# Altium PCB SmartHaloFF.PcbDoc (part 2 of 4)
Units mm, origin at the board's own origin, x right, y up, seen from the top; angles counter-clockwise.
Board outline 76.77 x 65.15 mm, 4 copper layers (Top Layer, Ground Plane, Power Plane, Bottom Layer), stack 1.516 mm thick; 370 components, 183 nets, 935 pads, 579 vias.
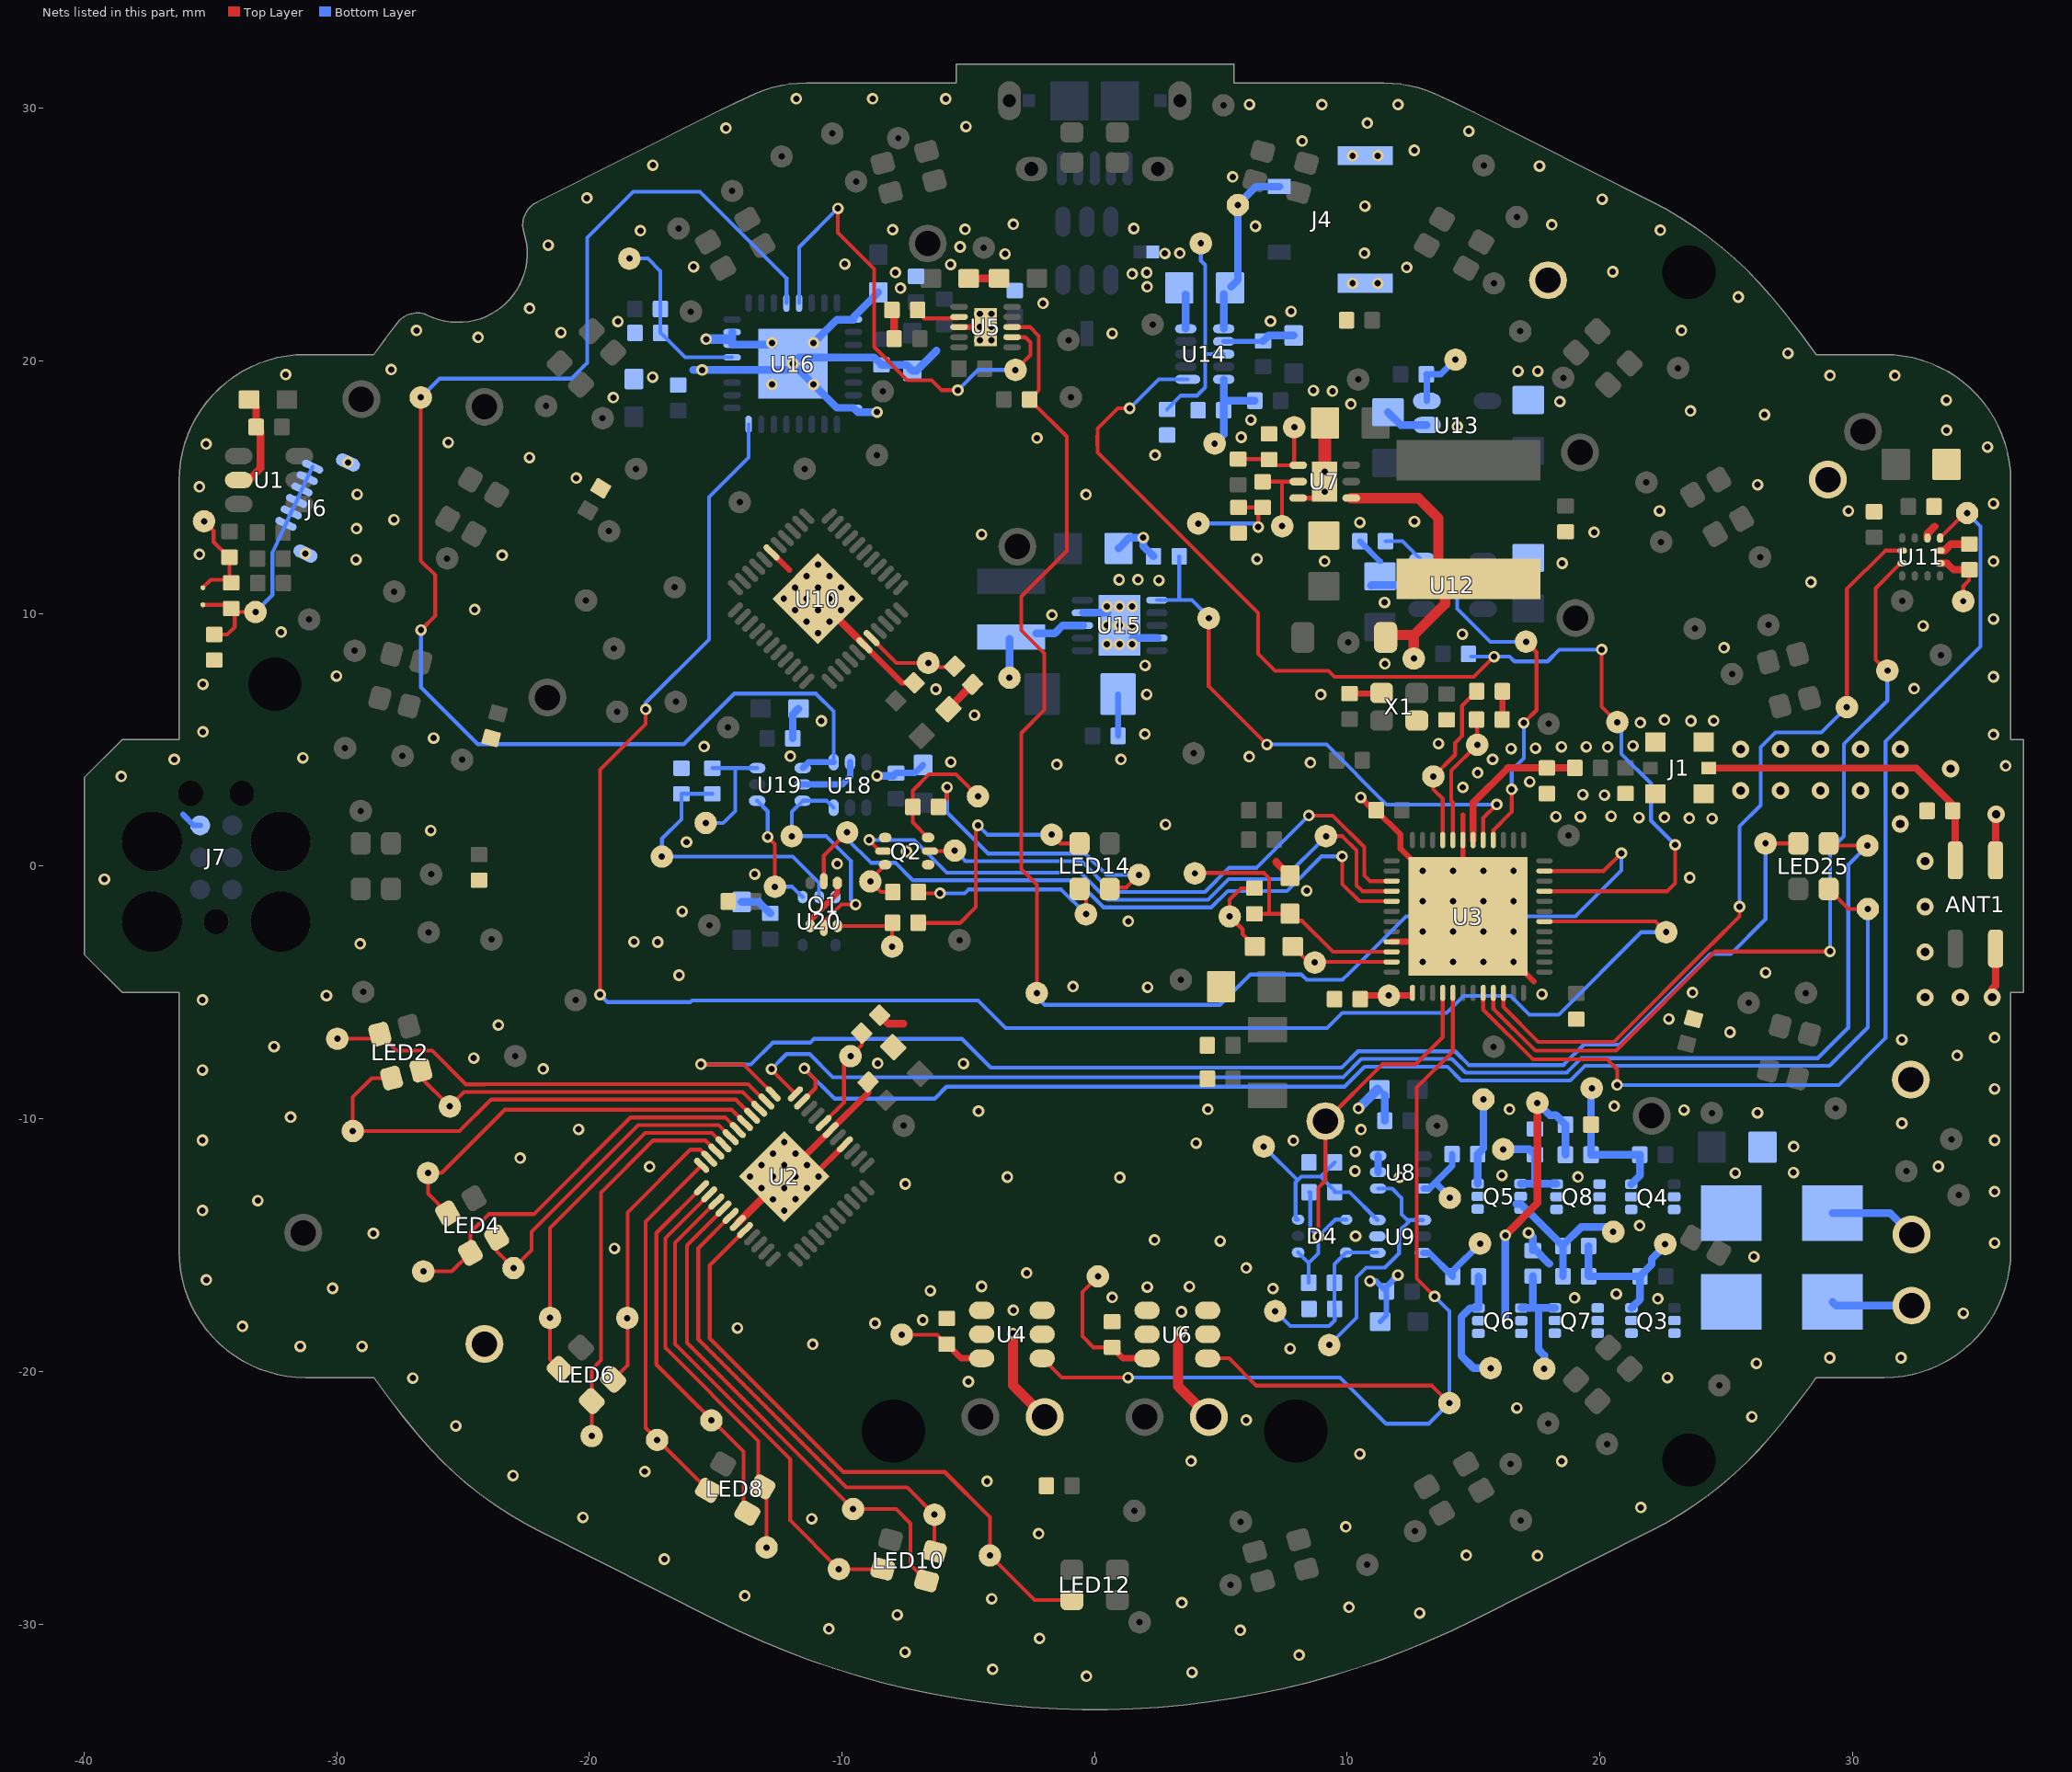
[diagram p4: the nets of this part, all layers, seen from the top]

## Footprints (in the part's own frame and the unit in brackets; to place one, negate y for a bottom-side part, rotate by r counter-clockwise, add the part's x,y. Pads: shape width x height; smd on the part's side, far side on the other; paste and mask are expansions set on the pad) (continued)
TESTPAD-TH-1_5mm [mm] "Through-hole testpad, 1.5mm"
  round 1.5 hole 1: 1(0,0)
  silkscreen extent -1,-1 1,1
TESTPAD-TH-35mils [mil] "Through-hole testpad 35 mils"
  round 35 hole 10: 1(0,0)
Varitron_CAP0402 [mil] "Capacitor 0402(1005), max 1mm height"
  rrect21% 24x26 smd: 1(-20,0) 2(20,0)
  body extent -21,-11 21,11, height 39
VARITRON_CAP0402 [mil] "Capacitor 0402(1005), max 1mm height"
  rrect21% 24x26 smd: 1(-20,0) 2(20,0)
  body extent -21,-11 21,11, height 39
Varitron_CAP0603 [mil] "Capacitor 0603(1608), max 1mm height"
  rrect17% 32x29 smd: 1(-29.5,0) 2(29.5,0)
  body extent -33,-19 33,19, height 39
VARITRON_CAP0603 [mil] "Capacitor 0603(1608), max 1mm height"
  rrect17% 32x29 smd: 1(-29.5,0) 2(29.5,0)
  body extent -33,-19 33,19, height 39
VARITRON_CAP0805 [mil] "Capacitor 0805(2012), max 1mm height"
  rrect11% 44x49 smd: 1(-39.5,0) 2(39.5,0)
  body extent -43,-27 43,27, height 39
Varitron_CAP0805 [mil] "Capacitor 0805(2012), max 1mm height"
  rrect11% 44x49 smd: 1(-39.5,0) 2(39.5,0)
  body extent -43,-27 43,27, height 39
Varitron_CAP1206 [mil] "Capacitor 1206(3216), max 1mm height"
  rrect9% 55x65 smd: 1(-59,0) 2(59,0)
  body extent -66,-34 66,34, height 39
VARITRON_IND0402 [mil] "Inductor 0402(1005), max 1mm height"
  rrect21% 24x26 smd: 1(-20,0) 2(20,0)
  body extent -21,-11 21,11, height 39
VARITRON_IND0603 [mil] "Inductor 0603(1608), max 1mm height"
  rrect17% 32x29 smd: 1(-29.5,0) 2(29.5,0)
  body extent -33,-19 33,19, height 39
VARITRON_RES0402 [mil] "Resistor 0402(1005), max 1mm height"
  rrect21% 24x26 smd: 1(-20,0) 2(20,0)
  body extent -21,-11 21,11, height 39
Varitron_RES0402 [mil] "Resistor 0402(1005), max 1mm height"
  rrect21% 24x26 smd: 1(-20,0) 2(20,0)
  body extent -21,-11 21,11, height 39
Varitron_RES0805 [mil] "Resistor 0805(2012), max 1mm height"
  rrect11% 44x49 smd: 1(-39.5,0) 2(39.5,0)
  body extent -43,-27 43,27, height 39

## Part data
ANT1: "CHIP ANTENNA, 2.45GHz, 5 x 2 x 1.5 mm body"
C1 C5 C6 C7 C16 C17: library part Varitron_CAP0402, "C nF V TEMP TOL% 0402 (1005 Metric)  SMD"
C2 C15 C18 C29 C36 C40 C50 C57 C66 C68 C70: library part Varitron_CAP0603, "1.0 uF 16V X7R 10% 0603 (1608 Metric)  SMD"
C3 C8 C9 C10 C12 C21 C22 C25 C27 C33 C37 C38 C41 C42 C43 C45 C51 C55 C58 C59 C65 C67 C69: library part Varitron_CAP0402, "100 nF 16V X7R 10% 0402 (1005 Metric)  SMD"
C4: library part Varitron_CAP0402, "6.8 nF 16V X7R 5% 0402 (1005 Metric)  SMD"
C11: library part Varitron_CAP0402, "1.2 pF 50V NP0 ±0.1 pF 0402 (1005 Metric)  SMD"
C13: library part Varitron_CAP0402, "100 pF 50V NP0 5% 0402 (1005 Metric)  SMD"
C14 C19 C31 C32: library part Varitron_CAP0402, "12 pF 50V NP0 2% 0402 (1005 Metric)  SMD"
C20: library part Varitron_CAP0402, "0.8 pF 50V NP0 ±0.05pF 0402 (1005 Metric)  SMD"
C23 C26 C56 C60: library part Varitron_CAP0603, "4.7 uF 10V X5R 10% 0603 (1608 Metric)  SMD"
C24 C30 C34 C71: library part Varitron_CAP0805, "4.7 uF 50V X5R 10% 0805 (2012 Metric)  SMD"
C28: library part Varitron_CAP0402, "680 pF 10V X7R 10% 0402 (1005 Metric)  SMD"
C35 C39: library part Varitron_CAP0402, "1 nF 10V X7R 10% 0402 (1005 Metric)  SMD"
C44 C47 C48 C49 C52 C54: library part Varitron_CAP0805, "10 uF 10V X7R 10% 0805 (2012 Metric)  SMD"
C46 C61 C64: library part Varitron_CAP0402, "220 nF 10V X7R 10% 0402 (1005 Metric)  SMD"
C53: library part Varitron_CAP1206, "47 uF 10V X5R 10% 1206 (3216 Metric)  SMD"
C62 C63: library part Varitron_CAP0402, "220 pF 50V X7R 10% 0402 (1005 Metric)  SMD"
D1 D2: "Cree 5mm Round LED C503D-WAN-CDaEa232-0AH"
D3: "Schottky Power Rectifier, 2-Pin SOD-123, Pb-Free, Tape and Reel"
D4: "High Voltage Switching Diode"
J1: library part Coaxial-Internal-SW, "Coaxial Connector with Switch"
J2 J3: "Connector, Single Horizontal Contact, 2 x 2 mm"
J4: "Connector, 1.3 mm pitch"
J5: "Micro USB B Type Receptacle"
J6: "Connector, FPC, 0.5 mm pitch, 6 contacts"
J7: library part JLINK_6PIN_NEEDLE_ADAPTER, "JLink 6 Pin Needle Adapter for Flasher ARM Programmer"
L1: library part Varitron_IND0402, "3.9 nH ±0.1 nH, 170 mA, 0402 (1005 Metric)  SMD"
L2: library part Varitron_IND0402, "15 nH 5%, 320 mA, 0402 (1005 Metric)  SMD"
L3: library part Varitron_IND0603, "10 uH 20%, 400 mA, 0603 (1608 Metric)  SMD"
L4: library part SRN5020-100M, "Inductor, 10 uH, 20%, 144 mOhm DCR, 1.3A"
L5: library part SRN3015-2R2M, "Inductor, 2.2 uH, 20%, 72 mOhm DCR, 1.65A"
LED1 LED2 LED3 LED4 LED5 LED6 LED7 LED8 LED9 LED10 LED11 LED12 LED13 LED14 LED15 LED16 LED17 LED18 LED19 LED20 LED21 LED22 LED23 LED24 LED25: "LED SMD LTSN-N213EGBW"
Q1 Q2: "30 V, 200 mA dual N-channel Trench MOSFET"
Q3 Q4: "PNP SMT Transistor, Low VCESAT"
Q5 Q6 Q7 Q8: "NPN SMT Transistor, Low VCESAT"
R1: library part Varitron_RES0402, "2k 0.063W 5%  0402 (1005 Metric)  SMD"
R2 R23: library part Varitron_RES0402, "3k9 0.063W 5%  0402 (1005 Metric)  SMD"
R3 R12: library part Varitron_RES0402, "100R 0.1W 5%  0402 (1005 Metric)  SMD"
R4 R6 R17 R26 R28 R29 R30 R31: library part Varitron_RES0402, "100k 0.063W 5%  0402 (1005 Metric)  SMD"
R5 R21 R22 R25 R42 R43: library part Varitron_RES0402, "3k3 0.063W 5%  0402 (1005 Metric)  SMD"
R7: library part Varitron_RES0402, "160R 0.1W 5%  0402 (1005 Metric)  SMD"
R8: library part Varitron_RES0402, "560R 0.063W 5%  0402 (1005 Metric)  SMD"
R9 R34 R38: library part Varitron_RES0402, "1k 0.063W 5%  0402 (1005 Metric)  SMD"
R10 R13 R19 R32 R40 R41: library part Varitron_RES0402, "10k 0.063W 5%  0402 (1005 Metric)  SMD"
R11 R14: library part Varitron_RES0402, "110R 0.1W 5%  0402 (1005 Metric)  SMD"
R15: library part Varitron_RES0402, "510k 0.063W 5%  0402 (1005 Metric)  SMD"
R16 R20: library part Varitron_RES0402, "4k7 0.063W 5%  0402 (1005 Metric)  SMD"
R18: library part Varitron_RES0402, "33k 0.063W 5%  0402 (1005 Metric)  SMD"
R24 R27: library part Varitron_RES0402, "1k8 0.063W 5%  0402 (1005 Metric)  SMD"
R33 R36 R37 R39: library part Varitron_RES0402, "12k 0.063W 5%  0402 (1005 Metric)  SMD"
R35: library part Varitron_RES0402, "75k 0.063W 5%  0402 (1005 Metric)  SMD"
RSENSE1: library part Varitron_RES0805, "0R01 0.25W 1%  0805 (2012 Metric)  SMD"
RT1: "Thermistor NTC 0402, R0 10k, 1%, B 3490, SMD"
SB1: library part SOLDERBRIDGE_SHORTED, "Shorted Solderbridge"
TP1 TP4 TP12 TP13 TP14 TP15 TP17 TP20: library part TESTPAD_TH_35mils, "Testpoint, through hole, 35 mils"
TP2 TP3 TP5 TP6 TP7 TP8 TP9 TP10 TP11 TP16 TP18 TP19: library part TESTPAD_TH_1_5MM, "Testpoint, through hole, 1.5mm"
TP21 TP100 TP125 TP139 TP140: "Testpoint, through hole, 1.5mm"
TP22 TP23 TP24 TP25 TP26 TP27 TP28 TP29 TP30 TP31 TP32 TP33 TP34 TP35 TP36 TP37 TP38 TP39 TP40 TP41 TP42 TP43 TP44 TP45 TP46 TP47 TP48 TP49 TP50 TP51 TP52 TP53 TP54 TP55 TP56 TP57 TP58 TP59 TP60 TP61 TP62 TP63 TP64 TP65 TP66 TP67 TP68 TP69 TP70 TP71 TP72 TP73 TP74 TP75 TP76 TP77 TP78 TP79 TP80 TP81 TP82 TP83 TP84 TP85 TP86 TP87 TP88 TP89 TP90 TP91 TP92 TP93 TP94 TP95 TP96 TP97 TP98 TP99 TP101 TP102 TP103 TP104 TP105 TP106 TP107 TP108 TP109 TP110 TP111 TP112 TP113 TP114 TP115 TP116 TP117 TP118 TP119 TP120 TP121 TP122 TP123 TP124 TP126 TP127 TP128 TP129 TP130 TP131 TP132 TP133 TP134 TP135 TP136 TP137 TP138 TP141 TP142 TP143 TP144 TP145 TP146 TP147 TP148 TP149 TP150 TP151 TP152 TP153 TP154 TP155 TP156 TP157 TP158 TP159 TP160 TP161 TP162 TP163 TP164 TP165 TP166 TP167 TP168 TP169 TP170 TP171 TP172 TP173 TP174 TP175 TP176 TP177 TP178 TP179: "Testpoint, through hole, 35 mils"
U1: "One-channel Touch Sensor IC with Reset Timer, -40° to +85° C, 6-pin SOT23"
U2 U10: "IC 36 CHANNELS LED DRIVER"
U3: library part nRF52832_QFAA, "Multi-protocol Bluetooth Low Energy and 2.4GHz proprietary system-on-chip"
U4 U6: "10-TO-150MA CONSTANT-CURRENT LED DRIVER"
U5: "800 mA, Single-Input, Single Cell Li-Ion Battery Charger with Auto Start. Vovp=6.6 V, 3.5 V, -40 to 85 degC, 10-pin SON (DSQ), Green (RoHS & no Sb/Br)"
U7: "Boost Voltage Converter with 3 to 18 V Input and 3 to 38 V Output, -40 to 85 degC, 6-Pin SON (DRC), Green (RoHS & no Sb/Br)"
U8 U18 U19: "Dual Inverter Gate"
U9: "IC Dual Inverter with Schmitt Trigger Inputs"
U11: "IC 3D Accelerometer and 3D Magnetometer, LGA-12, 2 x 2 x 1 mm"
U12 U13: "200 mA Low Dropout Regulator, 2 - 5.5V Input, Fixed 2.8V Output"
U14: "IC Battery Fuel Gauge for 1-Cell Lithium-ion (Li+)"
U15: "Boost Voltage Converter with 0.3 to 5.5 V Input and 5 V Output, -40 to 85 degC, 10-Pin SON (DRC), Green (RoHS & no Sb/Br)"
U16: "IC USB TO UART BRIDGE 32QFN"
U17: "Very low capacitance ESD protection"
U20: "IC Gate NAND 1 Channel"
X1: "XTAL 32 MHz, 8pF, 3.2 x 1.5 mm, ±20 ppm Tol, ±200 ppm Drift"
X2: "XTAL 32.768 kHz, 9pF, 3.2 x 1.5 mm, ±20 ppm Tol, ±200 ppm Drift"

## Free pads (board coordinates)
  round 0 hole 2.1 unplated paste+0 mask+0: 0(-32.448,7.202) 0(23.522,-23.509) 0(23.522,23.514)
  round 0 hole 2.5 square unplated: 0(-7.965,-22.36) 0(7.965,-22.358)

## Via types
v1: diameter 0.457, hole 0.254, Top Layer to Bottom Layer, 555 vias
v2: diameter 0.686, hole 0.33, Top Layer to Bottom Layer, 24 vias

## Nets (pads, with @x,y where several pads share a name; then routed paths per layer and width w, separated by ;. In a path a pad name is that pad's centre, name@x,y a point inside that pad or via, vN(x,y) a via of type N, cw(c..) or ccw(c..) an arc to the next point about the centre after c; other vN are vias at no path point)
ALARMB: R30.1 TP163.1 U3.21 U14.1 | length 47.4
  Top Layer w0.152: v1(1.389,18.125) 0.922,18.125 0.119,17.323 0.119,17.045 0.112,17.037 0.112,16.658 0.119,16.651 0.119,16.375 6.467,10.028 6.467,8.412 7.142,7.737 9.248,7.737 9.495,7.49 15.006,7.49 v1(15.809,8.293) ; U3.21@17.805,-0.991 22.666,-0.991 22.979,-0.678 v1(22.979,0.843) ; v1@20.094,8.479 20.188,8.572 v1(20.069,8.572) 20.069,6.32 TP163.1@20.688,5.7
  Bottom Layer w0.152: v1(1.389,18.125) 2.536,19.273 U14.1@3.683,19.273 ; R30.1@14.907,8.293 v1(15.809,8.293) 16.431,8.293 16.617,8.108 17.927,8.108 18.392,8.572 v1(20.069,8.572) ; TP163.1@20.688,5.7 20.848,5.54 20.848,4.445 22.024,3.269 22.024,1.798 v1(22.979,0.843)
ANT: ANT1.1 C11.2 J1.3 | length 12.5
  Top Layer w0.285: J1.3@24.31,3.881 32.514,3.881 34.064,2.331 ANT1.1@34.064,0.234
B\C\D\0\: Q1.2 TP114.1 U18.6 U19.3 | length 9.2
  Top Layer w0.152: Q1.2@-10.721,-2.441 -10.721,-2.22 -10.018,-1.516 v1(-9.464,-1.516)
  Bottom Layer w0.152: U18.6@-10.328,2.316 -10.6,2.588 U19.3@-11.554,2.588 -11.989,2.154 TP114.1@-11.989,1.186 -10.62,1.186 -9.649,0.216 -9.649,-1.331 v1(-9.464,-1.516)
BCD0: TP86.1 U16.12 U18.1 U19.1 | length 56.8
  Top Layer w0.152: TP86.1@-26.673,18.555 -26.673,12.088 -26.098,11.514 -26.098,9.911 v1(-26.665,9.345)
  Bottom Layer w0.152: TP86.1@-26.673,18.555 -25.926,19.301 -20.711,19.301 -20.091,19.922 -20.091,24.877 -18.265,26.703 -15.626,26.703 -12.198,23.275 U16.12@-12.198,22.291 ; v1(-26.665,9.345) -26.665,7.079 -24.417,4.831 -16.259,4.831 -14.257,6.833 -11.034,6.833 -10.328,6.127 U18.1@-10.328,4.12
  Bottom Layer w0.254: U19.1@-11.554,3.884 -11.318,4.12 U18.1@-10.328,4.12
BCD1: TP148.1 U5.7 U16.13 | length 19.2
  Top Layer w0.152: v1(-10.163,26.04) -10.163,25.077 -8.725,23.64 -8.725,20.554 -7.412,19.241 -6.452,19.241 -6.054,18.842 v1(-5.415,18.842) ; U5.7@-3.268,20.941 -2.747,20.941 -2.545,20.739 -2.545,20.234 TP148.1@-3.134,19.644
  Bottom Layer w0.152: U16.13@-11.698,22.291 -11.698,24.504 v1(-10.163,26.04) ; v1(-5.415,18.842) -4.613,19.644 -3.51,19.644 TP148.1@-3.244,19.911
BUS_DETECT: R36.1 R37.1 TP151.1 U16.5 | length 7.1
  Bottom Layer w0.152: TP151.1@-18.415,24.054 -17.686,24.054 -17.188,23.556 R36.1@-17.188,22.055 -17.188,21.118 R37.1@-17.178,21.107 -16.211,20.141 U16.5@-14.348,20.141
BZ_OUT_N: J2.1 Q3.1 Q3.2 Q3.5 Q3.6 Q7.1 Q7.2 Q7.5 Q7.6 TP140.1 | length 3.2
  Bottom Layer w0.305: J2.1@29.206,-17.252 29.351,-17.396 TP140.1@32.337,-17.396
BZ_OUT_P: J3.1 Q4.1 Q4.2 Q4.5 Q4.6 Q8.1 Q8.2 Q8.5 Q8.6 TP139.1 | length 3.5
  Bottom Layer w0.305: J3.1@29.206,-13.741 31.493,-13.741 TP139.1@32.337,-14.585
BZR: D4.1 D4.4 R24.2 R27.2 TP125.1 U3.4 | length 18.4
  Top Layer w0.152: v1(8.854,-14.661) 8.854,-12.726 9.136,-12.443 TP125.1@9.136,-10.094 11.389,-7.841 12.703,-7.841 13.78,-6.763 U3.4@13.78,-5.016
  Bottom Layer w0.152: D4.1@8.055,-15.292 8.474,-15.711 ; R27.2@8.474,-16.491 8.474,-15.711 ; R24.2@8.486,-12.903 8.533,-12.903 8.533,-14.34 v1(8.854,-14.661) ; D4.4@9.955,-13.992 9.524,-13.992 v1(8.854,-14.661) ; 8.474,-15.711 8.854,-15.331 v1(8.854,-14.661)
BZR_D_N: R40.2 TP130.1 U8.6 | length 2.8
  Bottom Layer w0.152: TP130.1@14.059,-13.129 TP130.1@14.059,-13.097
  Bottom Layer w0.254: U8.6@13.025,-12.76 13.25,-12.76 14.148,-11.862 R40.2@14.148,-11.402 ; 13.486,-12.524 TP130.1@14.059,-13.097
BZR_D_P: R41.2 TP128.1 U9.6 | length 3.3
  Bottom Layer w0.254: U9.6@12.996,-15.304 13.234,-15.304 R41.2@14.178,-16.248 14.178,-16.017 TP128.1@15.255,-14.94
C\H\G\: R13.2 TP150.1 U3.23 U5.8 | length 59.6
  Top Layer w0.152: U5.8@-3.268,21.341 -2.563,21.341 -2.21,20.988 -2.21,18.842 R13.2@-2.576,18.476 -1.107,17.008 -1.107,12.474 -2.908,10.673 -2.908,9.337 -1.991,8.42 -1.991,6.182 -2.908,5.265 -2.908,-0.109 -2.289,-0.729 TP150.1@-2.289,-5.024 ; U3.23@17.805,-0.191 20.146,-0.191 v1(20.848,0.511)
  Bottom Layer w0.152: TP150.1@-2.438,-5.024 -1.971,-5.491 4.951,-5.491 6.155,-4.288 8.185,-4.288 8.398,-4.501 9.808,-4.501 10.07,-4.239 10.076,-4.239 12.331,-1.984 19.034,-1.984 20.848,-0.17 v1(20.848,0.511)
CAPIN: C1.1 C7.1 J6.1 J6.2 J6.3 J6.4 J6.5 J6.6 SB1.2 TP104.1 | length 9.9
  Top Layer w0.152: SB1.2@-35.301,10.345 C1.1@-34.326,10.345 ; C7.1@-34.851,9.172 -34.333,9.172 -34.033,9.472 -34.033,10.053 C1.1@-34.041,10.061 ; C1.1@-34.178,10.198 C1.1@-34.041,10.061 ; TP104.1@-33.216,10.061 C1.1@-34.041,10.061
  Bottom Layer w0.152: TP104.1@-33.216,10.061 -32.542,10.734 -32.542,12.414 J6.6@-32.012,13.551 J6.5@-31.801,14.004 J6.4@-31.59,14.457 J6.3@-31.378,14.911 -31.167,15.363 J6.1@-30.956,15.817
CATHODE_B: LED14.4 R14.2 TP99.1 | length 11.9
  Top Layer w0.152: R14.2@-6.18,2.342 -5.842,2.68 v1(-5.842,3.127) ; LED14.4@0.643,-0.943 0.739,-0.846 1.252,-0.846 TP99.1@1.753,-0.345
  Bottom Layer w0.152: v1(-5.842,3.127) -5.842,2.126 -4.214,0.498 -0.368,0.498 0.475,-0.345 TP99.1@1.753,-0.345
CATHODE_G: LED14.3 R11.2 TP105.1 | length 8.3
  Top Layer w0.152: R11.2@-6.975,-1.026 -7.021,-1.072 v1(-6.121,-1.072) ; LED14.3@-0.6,-0.9 -0.343,-1.157 TP105.1@-0.343,-1.902
  Bottom Layer w0.152: v1(-6.121,-1.072) -5.143,-1.072 -4.996,-0.925 -1.321,-0.925 TP105.1@-0.343,-1.902
CATHODE_R: LED14.2 R7.2 TP106.1 | length 10.1
  Top Layer w0.152: R7.2@-6.985,-2.24 -6.972,-2.253 -5.334,-2.253 -4.702,-1.621 -4.702,1.534 v1(-4.618,1.618) ; TP106.1@-1.702,1.247 -1.355,0.9 LED14.2@-0.6,0.9
  Bottom Layer w0.152: v1(-4.618,1.618) -4.247,1.247 TP106.1@-1.702,1.247
CENTRAL_B: Q2.2 TP109.1 U3.40 | length 25.2
  Top Layer w0.152: v1(-8.926,1.036) -8.926,1.016 -8.504,0.594 Q2.2@-8.367,0.594 ; TP109.1@9.157,1.186 9.807,1.186 10.368,0.625 10.368,-0.757 10.603,-0.991 U3.40@11.755,-0.991
  Bottom Layer w0.152: v1(-8.926,1.036) -7.142,1.036 -5.852,-0.254 -0.561,-0.254 0.511,-1.326 4.493,-1.326 5.308,-0.511 7.46,-0.511 TP109.1@9.157,1.186
CENTRAL_G: Q2.5 TP107.1 U3.39 | length 21.9
  Top Layer w0.152: Q2.5@-6.517,0.594 -5.56,0.594 TP107.1@-5.537,0.617 ; v1(8.479,2.002) 9.423,2.002 10.673,0.752 10.673,-0.368 10.896,-0.591 U3.39@11.755,-0.591
  Bottom Layer w0.152: TP107.1@-5.537,0.617 -5.113,0.193 -0.521,0.193 0.691,-1.019 4.369,-1.019 5.324,-0.064 6.413,-0.064 v1(8.479,2.002)
CENTRAL_R: Q1.5 TP108.1 U3.41 | length 27.5
  Top Layer w0.152: Q1.5@-10.721,-0.591 -10.721,0.411 TP108.1@-9.797,1.336 ; v1(9.797,0.389) 9.797,-0.706 10.482,-1.391 U3.41@11.755,-1.391
  Bottom Layer w0.152: TP108.1@-9.797,1.336 -9.797,1.074 -8.86,0.137 -7.894,0.137 -7.198,-0.559 -0.724,-0.559 0.348,-1.631 4.619,-1.631 5.264,-0.986 7.61,-0.986 8.984,0.389 v1(9.797,0.389)
CTS: TP147.1 U3.18 U16.32 | length 75
  Top Layer w0.152: v1(-19.576,-5.088) -19.576,3.815 -17.77,5.621 v1(-17.77,6.208) ; U3.18@17.805,-2.191 22.201,-2.191 TP147.1@22.624,-2.614
  Bottom Layer w0.152: v1(-19.576,-5.088) -19.281,-5.382 -16.005,-5.382 -15.936,-5.314 -4.616,-5.314 -3.524,-6.406 9.196,-6.406 9.798,-5.804 13.927,-5.804 14.6,-5.131 16.456,-5.131 17.207,-5.883 18.367,-5.883 21.636,-2.614 TP147.1@22.624,-2.614 ; v1(-17.77,6.208) -17.77,6.467 -15.268,8.969 -15.268,14.609 -13.698,16.179 U16.32@-13.698,17.491
DEC1: C27.1 TP167.1 U3.1 | length 1.8
  Top Layer w0.254: C27.1@10.65,-5.126 TP167.1@11.643,-5.126 12.471,-5.126
DEC2: C16.1 TP165.1 U3.32 | length 5.2
  Top Layer w0.152: U3.32@14.18,1.034 14.18,2.533 14.12,2.593 14.12,3.78 TP165.1@15.143,4.803 C16.1@15.143,5.773
DEC3: C13.1 TP164.1 U3.33 | length 6.8
  Top Layer w0.152: U3.33@13.78,1.034 13.78,2.664 13.406,3.038 TP164.1@13.406,3.551 14.267,4.412 14.267,4.879 14.539,5.151 14.539,6.34 C13.1@15.123,6.924
DEC4: C18.1 L2.1 TP158.1 U3.46 | length 10.4